# Altium PCB 600W INV MCU VA1.1.PcbDoc (part 1 of 2) (continued)
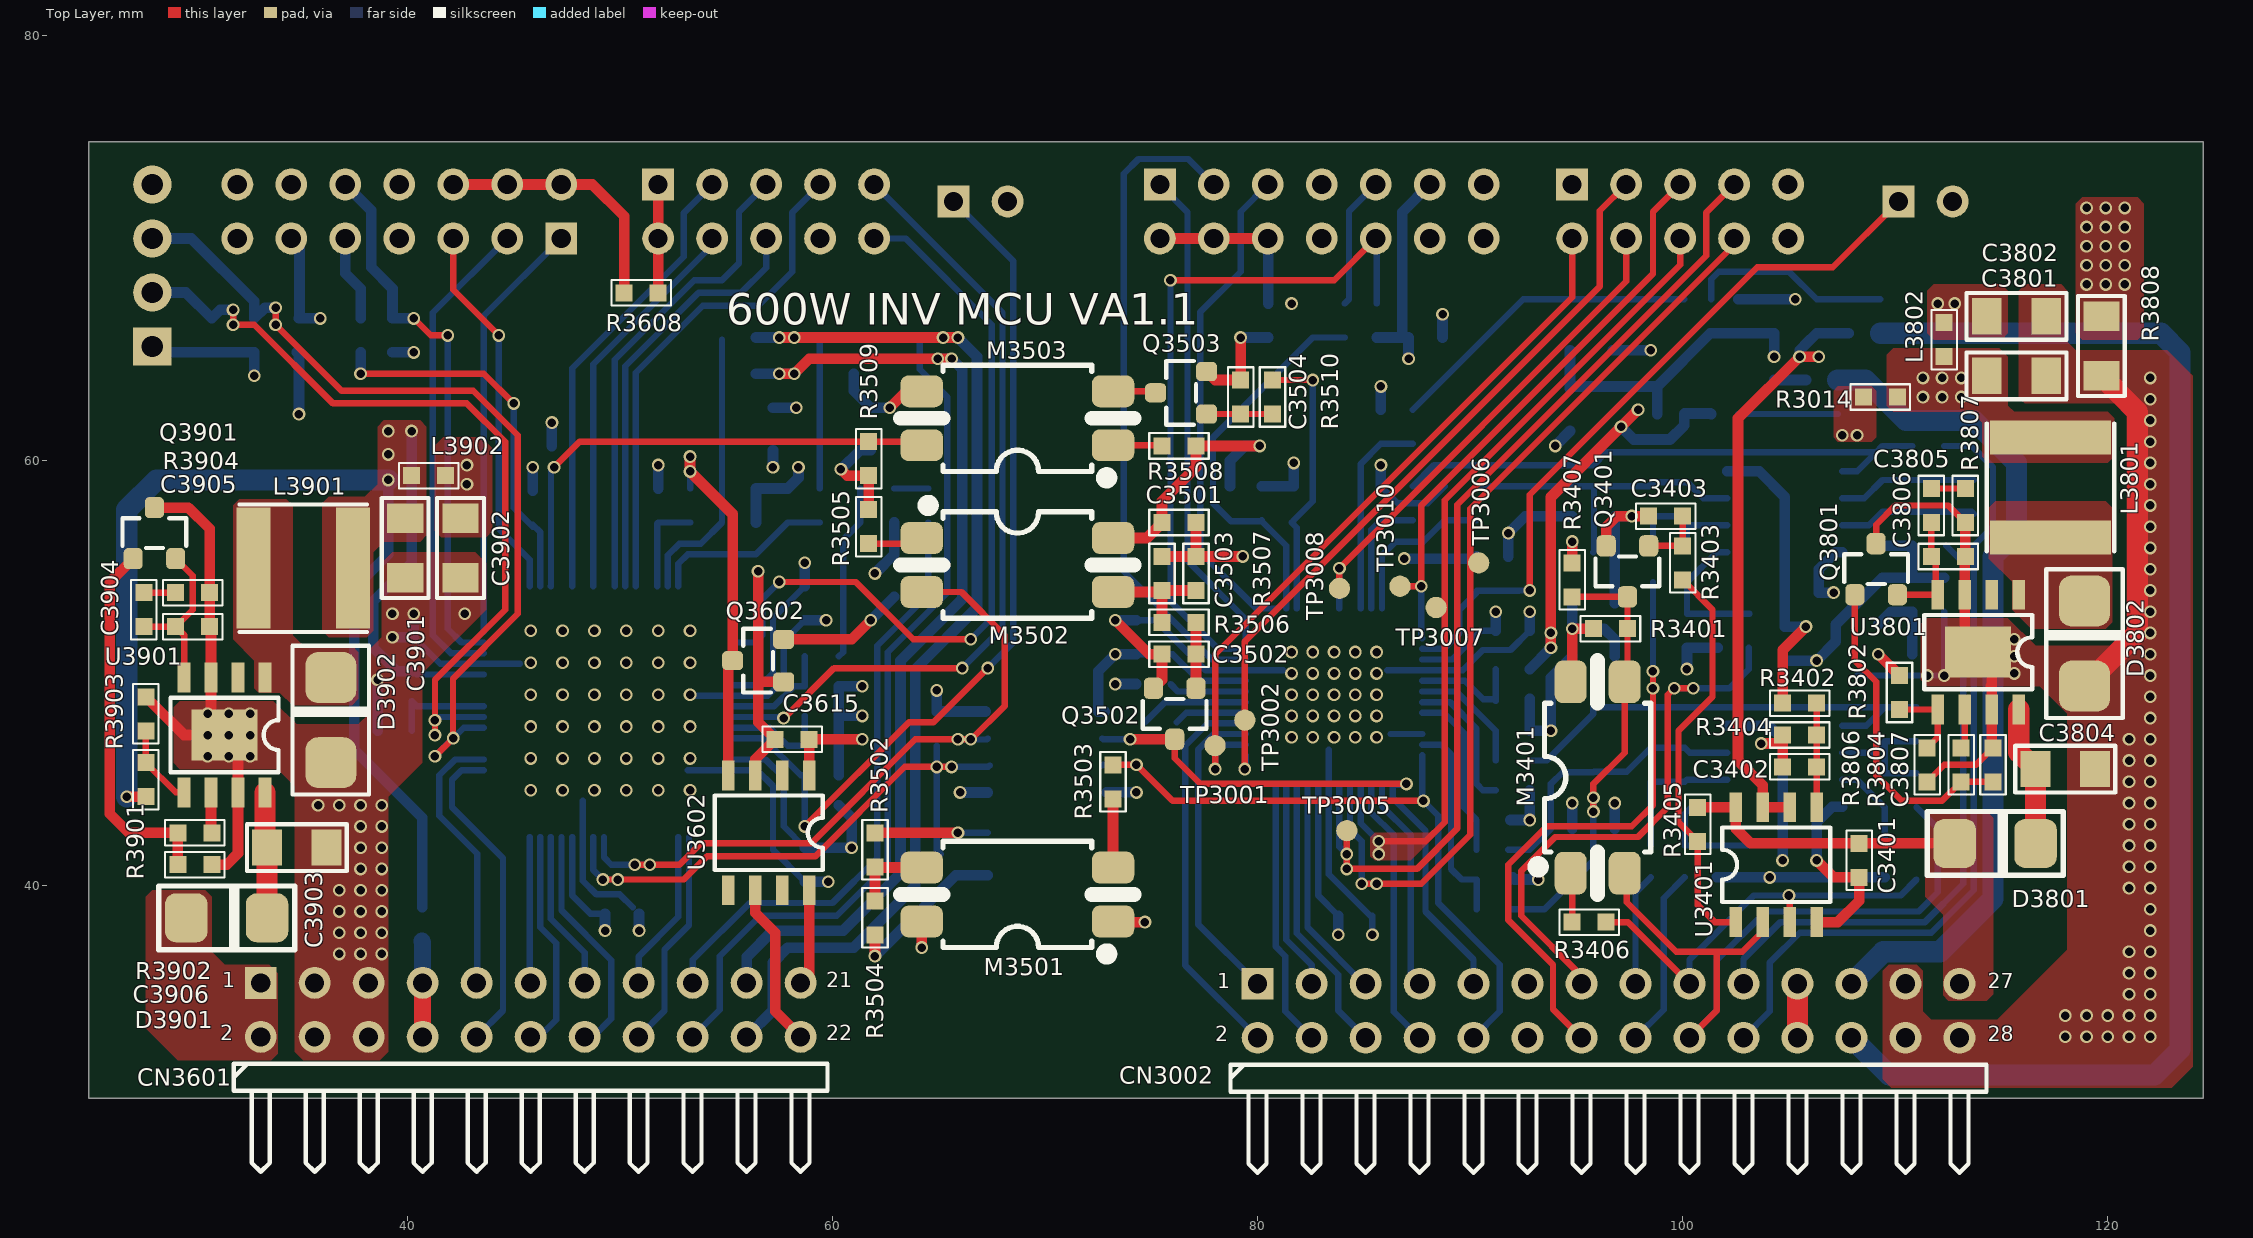
[diagram p0: Top Layer view]
## Components (designator, comment, footprint, x,y, rotation, side; value= is the part's Value field where it differs from the comment)
C3001 "0.1uF" C0603L 74.3,51.7 r270 bottom
C3002 "2.2uF" C0603L 75.1,49.5 r0 bottom
C3003 "10nF" C0603L 80.2,58 r270 bottom
C3004 "10nF" C0603L 81.7,58 r270 bottom
C3005 "0.1uF" C0603L 84.6,38.6 r180 bottom
C3007 "10nF" C0603L 92,48.8 r180 bottom
C3008 "2.2uF" C0603L 90.3,54.7 r270 bottom
C3009 "10nF" C0603L 85.8,61.6 r270 bottom
C3010 "10nF" C0603L 85.8,58 r270 bottom
C3011 "10nF" C0603L 88.8,58 r270 bottom
C3012 "0.1uF" C0603L 92,52 r180 bottom
C3013 "10nF" C0603L 92,47.3 r180 bottom
C3014 "2.2uF" C0603L 92,44.5 r180 bottom
C3015 "10nF" C0603L 91.1,43.1 r180 bottom
C3016 "10nF" C0603L 91.1,40.3 r180 bottom
C3017 "0.1uF" C0603L 87.9,65.8 r180 bottom
C3101 "47pF" C0603L 109.5,41.2 r270 bottom
C3102 "0.1uF" C0603L 105.5,41.9 r0 bottom
C3104 "47pF" C0603L 101.6,41.2 r270 bottom
C3105 "1000pF" C0603L 109.5,44.5 r270 bottom
C3107 "1000pF" C0603L 99.3,43.4 r0 bottom
C3108 "47pF" C0603L 100.1,45.7 r270 bottom
C3109 "47pF" C0603L 109.5,47.6 r270 bottom
C3201 "47pF" C0603L 109.4,56.8 r270 bottom
C3202 "0.1uF" C0603L 105.6,53.8 r0 bottom
C3203 "1000pF" C0603L 100.2,55.1 r270 bottom
C3204 "0.015uF" C0603L 100.2,52 r90 bottom
C3205 "47pF" C0603L 100.2,58.2 r270 bottom
C3206 "47pF" C0603L 109.4,59.9 r270 bottom
C3207 "1000pF" C0603L 113.7,58.3 r270 bottom
C3301 "0.1uF" C0603L 104.3,66.8 r90 bottom
C3302 "220pF" C0603L 106.3,66.8 r270 bottom
C3303 "220pF" C0603L 105.8,63 r90 bottom
C3401 "0.1uF" C0603L 108.3,41.2 r270 top
C3402 "0.1uF" C0603L 105.5,45.6 r0 top
C3403 "1000pF" C0603L 99.2,57.4 r0 top
C3501 "100nF" C0603L 76.3,57.1 r0 top
C3502 "NC" C0603L 76.3,50.9 r180 top
C3503 "NC" C0603L 75.5,54.7 r90 top
C3504 "10nF" C0603L 79.2,63 r270 top
C3601 "0.1uF" C0603L 39.4,47.3 r180 bottom
C3602 "0.1uF" C0603L 40.3,50.9 r90 bottom
C3603 "2.2uF" C0603L 39.4,48.7 r180 bottom
C3604 "10nF" C0603L 45.9,57.8 r270 bottom
C3605 "0.1uF" C0603L 50.1,38.7 r0 bottom
C3606 "0.1uF" C0603L 51.8,57.9 r90 bottom
C3607 "0.1uF" C0603L 55.6,57.1 r0 bottom
C3608 "0.1uF" C0603L 57.9,57.9 r90 bottom
C3609 "0.1uF" C0603L 58.7,53.3 r270 bottom
C3610 "0.1uF" C0603L 58.7,41 r90 bottom
C3611 "0.1uF" C0603L 59.5,46.6 r0 bottom
C3612 "2.2uF" C0603L 59.5,48 r0 bottom
C3613 "0.1uF" C0603L 59.5,49.4 r0 bottom
C3614 "0.1uF" C0603L 34.9,65.9 r90 bottom
C3615 "0.1uF" C0603L 58.1,46.9 r180 top
C3616 "2.2uF" C0603L 59.5,45.2 r180 bottom
C3801 "22uF/1206" C1206 115.7,64 r0 top
C3802 "22uF/1206" C1206 115.7,66.8 r0 top
C3803 "10nF" C0603L 112.3,53.7 r90 bottom
C3804 "10uF/1206" C1206 118,45.5 r0 top
C3805 "22nF" C0603L 111.7,57.9 r90 top
C3806 "220pF" C0603L 112.5,55.5 r0 top
C3807 "220pF" C0603L 114.6,45.7 r90 top
C3808 "10nF" C1206 118.1,36 r0 bottom
C3809 "10uF/25V" C1206 118.5,48.8 r0 bottom
C3810 "10nF" C1206 118.5,51.7 r0 bottom
C3811 "10uF/25V" C1206 118.7,63.2 r0 bottom
C3901 "22uF/1206" C1206 39.9,55.9 r270 top
C3902 "22uF/1206" C1206 42.5,55.9 r270 top
C3903 "10uF/1206" C1206 34.8,41.8 r0 top
C3904 "22nF" C0603L 27.6,53 r90 top
C3905 "220pF" C0603L 29.9,52.2 r0 top
C3906 "220pF" C0603L 30,41 r0 top
C3907 "10nF" C1206 28.7,35.3 r0 bottom
C3908 "10uF/25V" C1206 34.7,39.4 r270 bottom
C3909 "10nF" C1206 30.3,50.4 r0 bottom
C3910 "10uF/25V" C1206 36.3,57.7 r270 bottom
CN3001 "Header 2*5" HDR2X5 94.8,73 r0 bottom
CN3002 "Header 2*14" HDR2X14H 80,32.86 r0 top locked
CN3003 "Header 2H" HDR1X2H 110.16,72.2 r0 bottom
CN3004 "Header 2*7" HDR2X7 75.4,73 r0 bottom
CN3601 "Header 2*11" HDR2X11H 33.1,32.9 r0 top
CN3602 "Header 2*5" HDR2X5 51.8,73 r0 bottom
CN3603 "Header 3H" HDR1X4 28,65.38 r90 bottom
CN3604 "Header 2*7" HDR2X7 47.24,70.46 r180 bottom
CN3605 "Header 2H" HDR1X2H 65.7,72.2 r0 bottom
D3801 "US1D" SMA 114.7,42 r270 top
D3802 "STPS340U" SMB 118.9,51.4 r0 top
D3901 "US1D" SMA 31.5,38.5 r270 top
D3902 "STPS340U" SMB 36.4,47.8 r0 top
L3801 "15uH" L-6*6 117.3,58.75 r90 top
L3802 "Inductor" R0603L 112.3,65.7 r90 top value=10mH
L3901 "15uH" L-6*6 35.1,54.95 r0 top
L3902 "Inductor" R0603L 41,59.3 r0 top value=10mH
M3401 "EL817S" PHOTO-PS2561DLA 96,45.1 r90 top value={Value}
M3501 "EL817S" PHOTO-PS2561DLA 68.7,39.6 r180 top value={Value}
M3502 "EL817S" PHOTO-PS2561DLA 68.7,55.1 r0 top value={Value}
M3503 "EL817S" PHOTO-PS2561DLA 68.7,62 r180 top value={Value}
Q3102 "BAV99" SOT23 95.8,49.6 r0 bottom
Q3104 "BAV99" SOT23 95.8,44.15 r180 bottom
Q3201 "BAV99" SOT23 95.8,54.5 r180 bottom
Q3202 "BAV99" SOT23 95.8,58.6 r180 bottom
Q3301 "BAV99" SOT23 95.7,66.4 r180 bottom
Q3302 "BAV99" SOT23 95.9,62.4 r90 bottom
Q3401 "PMBT2222A" SOT23-CBE 97.4,54.8 r180 top
Q3501 "PMBT2222A" SOT23-CBE 66.1,41.5 r270 bottom
Q3502 "PMBT2222A" SOT23-CBE 76.1,48.1 r180 top
Q3503 "PMBT2222A" SOT23-CBE 76.4,63.2 r90 top
Q3601 "BAV99" SOT23 56,61.5 r270 bottom
Q3602 "BAV99" SOT23 56.5,50.6 r90 top
Q3603 "BAV99" SOT23 60.6,61.5 r270 bottom
Q3604 "BAV99" SOT23 61.7,54.6 r270 bottom
Q3801 "MMBT5401" SOT23 109.1,54.9 r0 top
Q3901 "MMBT5401" SOT23 28.1,56.6 r0 top
R3001 "0R" R0603L 91.8,54.7 r270 bottom
R3002 "0R" R0603L 92,50.2 r180 bottom
R3003 "0R" R0603L 87.3,61.6 r270 bottom
R3004 "10K" R0603L 87.3,58 r270 bottom
R3005 "10K" R0603L 90.3,58 r270 bottom
R3006 "10K" R0603L 92,45.9 r180 bottom
R3007 "10K" R0603L 91.1,41.7 r180 bottom
R3008 "0R" R0603L 91.1,38.9 r180 bottom
R3009 "0R" R0603L 84.1,66.6 r270 bottom
R3010 "4.99k" R0603L 78.7,58 r90 bottom
R3011 "2.2k" R0603L 85.6,66.6 r270 bottom
R3012 "0R" R0603L 80.5,66.6 r270 bottom
R3013 "NC" R0603L 114.8,36.2 r270 bottom
R3014 "NC" R0603L 109.3,63 r0 top
R3101 "13.3K" R0603L 107.9,41.2 r90 bottom
R3103 "41.2K" R0603L 111,41.2 r90 bottom
R3106 "13.3K" R0603L 103.1,41.2 r90 bottom
R3108 "41.2K" R0603L 100.1,41.2 r90 bottom
R3109 "13.3K" R0603L 98.5,45.7 r90 bottom
R3110 "13.3K" R0603L 111,47.6 r90 bottom
R3111 "41.2K" R0603L 98.5,41.2 r90 bottom
R3114 "41.2K" R0603L 111,44.5 r90 bottom
R3201 "13.3K" R0603L 110.8,56.8 r90 bottom
R3202 "20K" R0603L 103.1,52 r90 bottom
R3203 "41.2K" R0603L 112.3,56.8 r90 bottom
R3204 "18.7K" R0603L 101.643,52 r270 bottom
R3205 "13.3K" R0603L 98.6,58.2 r90 bottom
R3206 "13.3K" R0603L 110.8,59.9 r90 bottom
R3207 "41.2K" R0603L 98.6,55.1 r90 bottom
R3208 "41.2K" R0603L 112.3,59.9 r270 bottom
R3301 "14K" R0603L 107.8,66.8 r90 bottom
R3302 "10K" R0603L 109.3,66.8 r90 bottom
R3303 "10K" R0603L 107.3,63 r270 bottom
R3304 "14K" R0603L 104.3,63 r270 bottom
R3401 "2.2K" R0603L 96.6,52.1 r180 top
R3402 "19.1K" R0603L 105.5,48.6 r0 top
R3403 "7.5K" R0603L 100,55.2 r270 top
R3404 "1K" R0603L 105.5,47.1 r180 top
R3405 "10K" R0603L 100.7,42.9 r90 top
R3406 "10K" R0603L 95.6,38.3 r180 top
R3407 "10K" R0603L 94.8,54.4 r270 top
R3501 "10K" R0603L 64.9,47.4 r90 bottom
R3502 "20R" R0603L 62,41.7 r270 top
R3503 "499R" R0603L 73.2,44.9 r90 top
R3504 "475R" R0603L 62,38.5 r90 top
R3505 "4.99K" R0603L 61.7,56.9 r90 top
R3506 "20R" R0603L 76.3,52.4 r0 top
R3507 "475R" R0603L 77.1,54.7 r270 top
R3508 "330R" R0603L 76.3,60.7 r0 top
R3509 "1K" R0603L 61.7,60.1 r270 top
R3510 "1K" R0603L 80.7,63 r90 top
R3601 "10K" R0603L 53.3,57.9 r90 bottom
R3602 "10K" R0603L 30.8,65.9 r270 bottom
R3603 "10K" R0603L 55.6,65.8 r0 bottom
R3604 "10K" R0603L 32.8,65.9 r270 bottom
R3605 "10K" R0603L 55.6,58.7 r180 bottom
R3606 "10K" R0603L 55.6,64.1 r0 bottom
R3607 "10K" R0603L 59.4,57.9 r90 bottom
R3608 "0R" R0603L 51,67.9 r0 top
R3609 "0R" R0603L 37.8,65.9 r270 bottom
R3610 "4.99k" R0603L 46,60.7 r0 bottom
R3611 "2.2k" R0603L 39.3,65.9 r270 bottom
R3612 "2.2K" R0603L 59.5,50.8 r0 bottom
R3613 "44K" R0603L 63.3,65.8 r0 bottom
R3614 "44K" R0603L 64.5,57.9 r270 bottom
R3615 "10K" R0603L 59.5,43.8 r180 bottom
R3616 "44K" R0603L 60.2,65.8 r0 bottom
R3617 "44K" R0603L 62.1,58.7 r0 bottom
R3618 "4.7K" R0603L 60.2,64.1 r180 bottom
R3619 "4.7K" R0603L 62.1,57.1 r180 bottom
R3620 "NC" R0603L 40.7,38.2 r90 bottom
R3621 "NC" R0603L 28.4,32.6 r0 bottom
R3801 "300R" R0603L 104.8,51.4 r270 bottom
R3802 "5.6K" R0603L 110.2,49.1 r90 top
R3803 "39K/ 0.1%" R0603L 110.8,53.7 r90 bottom
R3804 "4.7K" R0603L 113.1,45.7 r90 top
R3805 "12.4K/ 0.1%" R0603L 111.5,50.9 r180 bottom
R3806 "3.3K" R0603L 111.5,45.7 r90 top
R3807 "4.7K" R0603L 113.3,57.9 r90 top
R3808 "0R" R1206 119.7,65.4 r90 top
R3901 "5.6K" R0603L 27.7,45 r270 top
R3902 "4.7K" R0603L 30,42.5 r0 top
R3903 "3.3K" R0603L 27.7,48.1 r270 top
R3904 "4.7K" R0603L 29.9,53.8 r180 top
TP3001 "TIENET" TP#1 78,46.6 r90 top net-tie value={Value}
TP3002 "TIENET" TP#1 79.4,47.8 r90 top net-tie value={Value}
TP3003 "TIENET" TP#1 74.7,47.7 r270 bottom net-tie value={Value}
TP3004 "TIENET" TP#1 76.2,47.7 r270 bottom net-tie value={Value}
TP3005 "TIENET" TP#1 84.2,42.6 r90 top net-tie value={Value}
TP3006 "TIENET" TP#1 90.4,55.2 r90 top net-tie value={Value}
TP3007 "TIENET" TP#1 88.4,53.1 r90 top net-tie value={Value}
TP3008 "TIENET" TP#2 83.8,54 r90 top net-tie value={Value}
TP3010 "TIENET" TP#1 86.7,54.1 r90 top net-tie value={Value}
U3001 "MC56F81646VLF" LQFP-48 83.6,48.9 r270 bottom locked
U3101 "TSZ122IDT" SO8 104.8,45.635 r180 bottom
U3201 "TSZ122IDT" SO8 104.8,57.6 r180 bottom
U3301 "TSZ122IDT" SO8 100.7,64.9 r270 bottom
U3401 "LM293DT" SO8 104.4,41 r90 top value={Value}
U3501 "STISO621" SO8 70.2,46.3 r180 bottom
U3601 "MC56F83783VLH" LQFP-64 49.5,48.2 r270 bottom locked
U3602 "MAX4173FESA" SO8 57,42.5 r270 top
U3801 "L5973D" HSOP8 113.9,51 r270 top locked
U3802 "TL432" SOT23 108.2,51.1 r0 bottom
U3803 "LD1117S50" SOT223 118.6,41.7 r180 bottom
U3804 "LD1117S33" SOT223 118.5,57.4 r180 bottom
U3901 "L5973D" HSOP8 31.4,47.1 r270 top
U3902 "LD1117S50" SOT223 29.6,41.1 r180 bottom
U3903 "LD1117S33" SOT223 31.2,56 r180 bottom

## Footprints (in the part's own frame and the unit in brackets; to place one, negate y for a bottom-side part, rotate by r counter-clockwise, add the part's x,y. Pads: shape width x height; smd on the part's side, far side on the other; paste and mask are expansions set on the pad)
C0603L [mm]
  rect 0.8x0.8 smd mask+0.05: 1(-0.8,0) 2(0.8,0)
  silkscreen extent -1.4,-0.6 1.4,0.6, body extent -0.8,-0.4 0.8,0.4, height 0.77
C1206 [mm]
  rect 1.4x1.7 smd mask+0.1: 1(-1.4,0) 2(1.4,0)
  silkscreen extent -2.35,-1.1 2.35,1.1, body extent -1.6,-0.8 1.6,0.8, height 1.6
HDR1X2H [mm] "Connector; Header; 3 Position; Right Angle"
  rect 1.5x1.5 hole 0.9: 1(0,0)
  round 1.5 hole 0.9: 2(2.54,0)
  silkscreen extent -1.27,-6.35 3.81,-1.27, body extent -1.27,-10.04 3.81,0.32, height 2.54
HDR1X4 [mm] "Connector; Header; 3 Position; Right Angle"
  rect 1.8x1.8 hole 1: 1(0,0)
  round 1.8 hole 1: 2(2.54,0) 3(5.08,0) 4(7.62,0)
  silkscreen extent -1.27,-1.27 8.89,1.27, body extent -1.27,-1.27 8.89,1.27, height 8.54
HDR2X5 [mm] "Connector; Header; 5x2 Position"
  rect 1.5x1.5 hole 0.9: 1(0,0)
  round 1.5 hole 0.9: 2(0,2.54) 3(2.54,0) 4(2.54,2.54) 5(5.08,0) 6(5.08,2.54) 7(7.62,0) 8(7.62,2.54) 9(10.16,0) 10(10.16,2.54)
  silkscreen extent -1.27,-1.27 11.43,3.81, body extent -1.27,-1.27 11.43,3.81, height 8.54
HDR2X7 [mm] "Connector; Header; 2x7 Position"
  rect 1.5x1.5 hole 0.9: 1(0,0)
  round 1.5 hole 0.9: 2(0,2.54) 3(2.54,0) 4(2.54,2.54) 5(5.08,0) 6(5.08,2.54) 7(7.62,0) 8(7.62,2.54) 9(10.16,0) 10(10.16,2.54) 11(12.7,0) 12(12.7,2.54) 13(15.24,0) 14(15.24,2.54)
  silkscreen extent -1.27,-1.27 16.51,3.81, body extent -1.27,-1.27 16.51,3.81, height 8.54
HDR2X11H [mm] "Connector; Header; 2x12 Position"
  rect 1.5x1.5 hole 0.9: 1(0,2.54)
  round 1.5 hole 0.9: 2(0,0) 3(2.54,2.54) 4(2.54,0) 5(5.08,2.54) 6(5.08,0) 7(7.62,2.54) 8(7.62,0) 9(10.16,2.54) 10(10.16,0) 11(12.7,2.54) 12(12.7,0) 13(15.24,2.54) 14(15.24,0) 15(17.78,2.54) 16(17.78,0) 17(20.32,2.54) 18(20.32,0) 19(22.86,2.54) 20(22.86,0) 21(25.4,2.54) 22(25.4,0)
  silkscreen extent -1.27,-6.35 26.67,-1.27, body extent -1.27,-10.04 26.67,2.86, height 5.08
HDR2X14H [mm] "Connector; Header; 2x13 Position"
  rect 1.5x1.5 hole 0.9: 1(0,2.54)
  round 1.5 hole 0.9: 2(0,0) 3(2.54,2.54) 4(2.54,0) 5(5.08,2.54) 6(5.08,0) 7(7.62,2.54) 8(7.62,0) 9(10.16,2.54) 10(10.16,0) 11(12.7,2.54) 12(12.7,0) 13(15.24,2.54) 14(15.24,0) 15(17.78,2.54) 16(17.78,0) 17(20.32,2.54) 18(20.32,0) 19(22.86,2.54) 20(22.86,0) 21(25.4,2.54) 22(25.4,0) 23(27.94,2.54) 24(27.94,0) 25(30.48,2.54) 26(30.48,0) 27(33.02,2.54) 28(33.02,0)
  silkscreen extent -1.27,-6.35 34.29,-1.27, body extent -1.27,-10.04 34.29,2.86, height 5.08
HSOP8 [mm]
  rect 1.4x0.6 smd: 1(-2.7,1.905) 2(-2.7,0.635) 3(-2.7,-0.635) 4(-2.7,-1.905) 5(2.7,-1.905) 6(2.7,-0.635) 7(2.7,0.635) 8(2.7,1.905)
  rect 2.4x3.1 smd: 3(0,0)
  silkscreen extent -1.75,-2.54 1.75,2.54, body extent -3.15,-2.45 3.15,2.45, height 1.1
L-6*6 [mm]
  rect 1.6x5.7 smd mask+0.1: 1(-2.35,0) 2(2.35,0)
  silkscreen extent -3,-3 3,3, body extent -3,-3 3,3, height 4.5
LQFP-48 [mm]
  rect 1.5x0.28 smd: 1(-4.15,2.75) 2(-4.15,2.25) 3(-4.15,1.75) 4(-4.15,1.25) 5(-4.15,0.75) 6(-4.15,0.25) 7(-4.15,-0.25) 8(-4.15,-0.75) 9(-4.15,-1.25) 10(-4.15,-1.75) 11(-4.15,-2.25) 12(-4.15,-2.75) 25(4.15,-2.75) 26(4.15,-2.25) 27(4.15,-1.75) 28(4.15,-1.25) 29(4.15,-0.75) 30(4.15,-0.25) 31(4.15,0.25) 32(4.15,0.75) 33(4.15,1.25) 34(4.15,1.75) 35(4.15,2.25) 36(4.15,2.75)
  rect 0.28x1.5 smd: 13(-2.75,-4.15) 14(-2.25,-4.15) 15(-1.75,-4.15) 16(-1.25,-4.15) 17(-0.75,-4.15) 18(-0.25,-4.15) 19(0.25,-4.15) 20(0.75,-4.15) 21(1.25,-4.15) 22(1.75,-4.15) 23(2.25,-4.15) 24(2.75,-4.15) 37(2.75,4.15) 38(2.25,4.15) 39(1.75,4.15) 40(1.25,4.15) 41(0.75,4.15) 42(0.25,4.15) 43(-0.25,4.15) 44(-0.75,4.15) 45(-1.25,4.15) 46(-1.75,4.15) 47(-2.25,4.15) 48(-2.75,4.15)
  silkscreen extent -4.35,-3.05 3.05,4.05, body extent -4.5,-4.5 4.5,4.5, height 1.5
LQFP-64 [mm]
  rect 1.5x0.28 smd: 1(-5.9,3.75) 2(-5.9,3.25) 3(-5.9,2.75) 4(-5.9,2.25) 5(-5.9,1.75) 6(-5.9,1.25) 7(-5.9,0.75) 8(-5.9,0.25) 9(-5.9,-0.25) 10(-5.9,-0.75) 11(-5.9,-1.25) 12(-5.9,-1.75) 13(-5.9,-2.25) 14(-5.9,-2.75) 15(-5.9,-3.25) 16(-5.9,-3.75) 33(5.9,-3.75) 34(5.9,-3.25) 35(5.9,-2.75) 36(5.9,-2.25) 37(5.9,-1.75) 38(5.9,-1.25) 39(5.9,-0.75) 40(5.9,-0.25) 41(5.9,0.25) 42(5.9,0.75) 43(5.9,1.25) 44(5.9,1.75) 45(5.9,2.25) 46(5.9,2.75) 47(5.9,3.25) 48(5.9,3.75)
  rect 0.28x1.5 smd: 17(-3.75,-5.9) 18(-3.25,-5.9) 19(-2.75,-5.9) 20(-2.25,-5.9) 21(-1.75,-5.9) 22(-1.25,-5.9) 23(-0.75,-5.9) 24(-0.25,-5.9) 25(0.25,-5.9) 26(0.75,-5.9) 27(1.25,-5.9) 28(1.75,-5.9) 29(2.25,-5.9) 30(2.75,-5.9) 31(3.25,-5.9) 32(3.75,-5.9) 49(3.75,5.9) 50(3.25,5.9) 51(2.75,5.9) 52(2.25,5.9) 53(1.75,5.9) 54(1.25,5.9) 55(0.75,5.9) 56(0.25,5.9) 57(-0.25,5.9) 58(-0.75,5.9) 59(-1.25,5.9) 60(-1.75,5.9) 61(-2.25,5.9) 62(-2.75,5.9) 63(-3.25,5.9) 64(-3.75,5.9)
  silkscreen extent -6.15,-5 5,5.05, body extent -6,-6 6,6, height 1.5
PHOTO-PS2561DLA [mm]
  rrect50% 2x1.5 smd: 1(-4.5,1.27) 2(-4.5,-1.27) 3(4.5,-1.27) 4(4.5,1.27)
  silkscreen extent -5.5,-2.5 5.5,3.05, body extent -4.12,-2.51 4.14,2.51, height 3
R0603L [mm]
  rect 0.8x0.8 smd mask+0.05: 1(-0.8,0) 2(0.8,0)
  silkscreen extent -1.4,-0.6 1.4,0.6, body extent -0.8,-0.4 0.8,0.4, height 0.43
R1206 [mm]
  rect 1.4x1.7 smd mask+0.1: 1(-1.4,0) 2(1.4,0)
  silkscreen extent -2.35,-1.1 2.35,1.1, body extent -1.6,-0.8 1.6,0.8, height 0.55
SMA [mm]
  rrect50% 2.3x2 smd: A(0,-1.9) K(0,1.9)
  silkscreen extent -1.5,-3.2 1.5,3.2, body extent -1.35,-2.5 1.35,2.5, height 2.22
SMB [mm]
  rrect50% 2.4x2.4 smd: A(0,-2) K(0,2)
  silkscreen extent -1.8,-3.5 1.8,3.5, body extent -1.35,-2.5 1.35,2.5, height 2.22
SO8 [mm]
  rect 1.4x0.6 smd: 1(-2.7,1.905) 2(-2.7,0.635) 3(-2.7,-0.635) 4(-2.7,-1.905) 5(2.7,-1.905) 6(2.7,-0.635) 7(2.7,0.635) 8(2.7,1.905)
  silkscreen extent -1.75,-2.54 1.75,2.54, body extent -3,-2.45 3,2.45, height 1.75
SOT23 [mm]
  rrect50% 0.9x1 smd: 1(-1,-1.2) 2(1,-1.2) 3(0,1.2)
  silkscreen extent -1.5,-0.7 1.5,0.7, body extent -1.5,-1.32 1.5,1.32, height 1.08
SOT23-CBE [mm]
  rrect50% 0.9x1 smd: B(-1,-1.2) C(0,1.2) E(1,-1.2)
  silkscreen extent -1.5,-0.7 1.5,0.7, body extent -1.5,-1.32 1.5,1.32, height 1.08
SOT223 [mm]
  rect 1x1.6 smd: 1(-2.3,-3.15) 2(0,-3.15) 3(2.3,-3.15)
  rect 3.3x1.8 smd: 2(0,3.15)
  silkscreen extent -3.25,-1.75 3.25,1.75, body extent -3.25,-3.5 3.25,3.5, height 1.7
TP#1 [mm]
  round 1 smd mask+0.05: 1(0,0)
TP#2 [mm]
  round 1 smd mask+0.05: 1(0,-0.05)

## Part data
C3001 C3002 C3003 C3004 C3005 C3007 C3008 C3009 C3010 C3011 C3012 C3013 C3014 C3015 C3016 C3017 C3101 C3102 C3104 C3105 C3107 C3108 C3109 C3201 C3202 C3203 C3204 C3205 C3206 C3207 C3301 C3302 C3303 C3401 C3402 C3403 C3501 C3502 C3503 C3504 C3601 C3602 C3603 C3604 C3605 C3606 C3607 C3608 C3609 C3610 C3611 C3612 C3613 C3614 C3615 C3616 C3803 C3805 C3806 C3807 C3904 C3905 C3906: library part C0603, "C0603", OPEN=OPEN, package=C0603
C3801 C3802 C3804 C3808 C3809 C3810 C3811 C3901 C3902 C3903 C3907 C3908 C3909 C3910: library part C1206, "C1206", package=C1206
CN3003 CN3605: "Header, 2 Pin, Right Angle", LatestRevisionDate=17-Jul-2002, LatestRevisionNote="Re-released for DXP Platform.", Publisher="Altium Limited"
CN3603: library part "Header 4H", "Header, 4-Pin", LatestRevisionDate=17-Jul-2002, LatestRevisionNote="Re-released for DXP Platform.", Publisher="Altium Limited"
D3801 D3802 D3901 D3902: library part Diode, "ALL FOOTPRINT", package=SOD123
L3801 L3901: library part L, miao=150uH,※I§倰ㄛT6*10,耳=0.5*1, name=Inductor, Vendor=SHUNYUE
M3401 M3501 M3502 M3503: library part PHOTO-PS2561DLA, "PHOTO-PS2561DLA", PackageOutlineLayer=2mm, ComponentHeight=2mm, ModifyDate="06/28/2010 14:14:37"
Q3401 Q3501 Q3502 Q3503: library part NPN, "SOT-23-NPN", package=SOT-23
Q3801 Q3901: library part PNP, "SOT-23-PNP", package=SOT-23
R3001 R3002 R3003 R3004 R3005 R3006 R3007 R3008 R3009 R3010 R3011 R3012 R3013 R3014 R3101 R3103 R3106 R3108 R3109 R3110 R3111 R3114 R3201 R3202 R3203 R3204 R3205 R3206 R3207 R3208 R3301 R3302 R3303 R3304 R3401 R3402 R3403 R3404 R3405 R3406 R3407 R3501 R3502 R3503 R3504 R3505 R3506 R3507 R3508 R3509 R3510 R3601 R3602 R3603 R3604 R3605 R3606 R3607 R3608 R3609 R3610 R3611 R3612 R3613 R3614 R3615 R3616 R3617 R3618 R3619 R3620 R3621 R3801 R3802 R3803 R3804 R3805 R3806 R3807 R3901 R3902 R3903 R3904: library part R0603, "R0603", package=R0603
R3808: library part R1206, "R1206", package=R1206
TP3001 TP3002 TP3003 TP3004 TP3005 TP3006 TP3007 TP3008 TP3010: library part TP, "TIENET0D5", PackageOutlineLayer="Top Assy", ModifyDate="10/31/2007 15:58:16"
U3401: library part LM393, "LM393", package=SO-8
U3501 U3602: "LM358"
U3601: "STM32G474"
U3802: library part TL431, "TL431", package=SOT-23
U3803 U3804 U3902 U3903: library part LD1117, "LD1117"
CN3001 CN3002 CN3004 CN3601 CN3602 CN3604: PCB Footprint=CONP10
L3802 L3902: Code_IEC=1005, Code_JEITA=0402, LatestRevisionDate=29-May-2009, LatestRevisionNote="IPC-7351 Footprint Added.", PackageDescription="Chip Inductor", PackageReference=0402-A, Published=8-Jun-2000, Publisher="Altium Limited"

## Via types
v1: diameter 0.6, hole 0.4, Top Layer to Bottom Layer, tented both sides, 323 vias

## Nets (pads, with @x,y where several pads share a name; then routed paths per layer and width w, separated by ;. In a path a pad name is that pad's centre, name@x,y a point inside that pad or via, vN(x,y) a via of type N, cw(c..) or ccw(c..) an arc to the next point about the centre after c; other vN are vias at no path point)
0.164V: C3302.2 C3303.2 R3301.1 R3304.1 U3401.6 U3401.7 | length 29.5
  Top Layer w0.5: U3401.6@105.035,43.7 U3401.7@103.765,43.7 103.765,44.735 102.6,45.9 102.6,62 v1(105.5,64.9) v1(106.4,64.9)
  Bottom Layer w0.5: R3304.1@104.3,63.8 C3303.2@105.8,63.8 ; v1(105.5,64.9) 105.5,65.2 105.6,65.3 105.8,65.5 C3302.2@106.3,66 R3301.1@107.8,66
1V65: C3101.2 C3104.2 C3201.2 C3803.2 R3101.1 R3106.1 R3201.1 R3801.2 R3803.2 U3802.1 | length 32.7
  Layer 1 w0.8: v1(104.1,40.4) 102.7,41.8 102.7,47 v1(106.3,50.6)
  Bottom Layer w0.5: C3104.2@101.6,40.4 R3106.1@103.1,40.4 v1(104.1,40.4) R3101.1@107.9,40.4 C3101.2@109.5,40.4 ; R3801.2@104.8,50.6 v1(106.3,50.6) 107.2,51.5 U3802.1@107.2,52.3 109.4,54.5 R3803.2@110.8,54.5 ; C3201.2@109.4,56 R3201.1@110.8,56 R3803.2@110.8,54.5 ; C3803.2@112.3,54.5 R3803.2@110.8,54.5
3V3_INV: C3001.2 C3005.2 C3017.2 C3102.1 C3202.1 C3301.1 C3501.1 C3801.1 C3811.1 CN3001.1 CN3004.11 L3801.2 L3802.1 M3401.4 M3501.1 M3502.4 Q3102.2 Q3104.2 Q3201.2 Q3202.2 Q3301.2 Q3302.2 R3001.1 R3010.2 R3011.2 R3014.2 R3401.2 R3402.1 R3508.2 R3801.1 R3802.2 U3001.32 U3001.44 U3101.8 U3201.8 U3301.8 U3501.1 U3804.2 | length 107.6
  Top Layer w0.5: M3501.1@73.2,38.33 73.23,38.3 v1(74.7,38.3) ; M3502.4@73.2,56.37 74.795,56.37 C3501.1@75.5,57.075 ; M3501.1@73.33,38.4 M3501.1@73.4,38.33 ; C3501.1@75.5,57.1 75.5,58.1 77.1,59.7 R3508.2@77.1,60.7 v1(80.1,60.7) ; M3401.4@94.73,49.6 94.8,49.67 v1(94.8,52.1) R3401.2@95.8,52.1 ; R3402.1@104.7,48.6 104.7,51.1 v1(105.8,52.2) ; v1(109.2,50.9) R3802.2@110.2,49.9
  Layer 2 w0.8: v1(109.2,50.9) 109.2,60.9 v1(111.3,63)
  Bottom Layer w0.3: C3001.2@74.3,50.9 76,50.9 77.25,49.65 U3001.44@79.45,49.65 ; U3001.32@82.85,44.75 82.85,39.55 C3005.2@83.8,38.6
  Bottom Layer w0.5: U3501.1@72.8,48.205 72.5,48.205 72.5,50.1 v1(73.3,50.9) C3001.2@74.3,50.9 ; R3010.2@78.7,58.8 78.7,60 79.4,60.7 v1(80.1,60.7) ; v1(83.8,37.7) C3005.2@83.8,38.6 ; R3011.2@85.6,65.8 C3017.2@86.8,65.8 ; v1(87.1,64.8) C3017.2@87.1,65.8 C3017.2@86.8,65.8 ; CN3004.11@88.1,73 86.8,71.7 C3017.2@86.8,65.8 ; R3001.1@91.8,55.5 v1(91.8,56.6) 92.6,57.4 Q3202.2@94.8,57.4 ; Q3301.2@94.7,65.2 Q3302.2@94.7,63.4 94.795,63.495 98.795,63.495 ; Q3104.2@94.8,42.7 94.8,43.7 v1(94.8,43.9) ; Q3201.2@94.8,53.3 v1(94.8,52.1) 96.3,52.1 96.8,51.6 Q3102.2@96.8,50.8 ; U3301.8@98.795,62.2 98.795,63.495 ; U3101.8@102.1,47.54 104.06,47.54 104.7,46.9 C3102.1@104.7,41.9 v1(104.7,41.2) ; U3201.8@102.1,59.505 103.595,59.505 104.8,58.3 C3202.1@104.8,53.8 R3801.1@104.8,52.2 v1(105.8,52.2) ; v1(104.3,64.9) C3301.1@104.3,66 101.3,66 98.795,63.495
  other v1: 112.2,63 113.1,63 111.3,63.9 112.2,63.9 113.1,63.9 81.6,67.4
3V3_INV_VDDA: C3012.2 C3802.1 L3802.2 U3001.15 | length 33.2
  Layer 1 w1: v1(91.2,52.9) 91.2,54.1 103.4,66.3 110.9,66.3 v1(112,67.4) v1(112.8,67.4)
  Bottom Layer w0.3: U3001.15@87.75,50.65 89.15,50.65 90.5,52 C3012.2@91.2,52
  Bottom Layer w0.5: C3012.2@91.2,52 v1(91.2,52.9)
3V3_S: C3602.1 C3605.1 C3610.2 C3614.2 C3615.1 C3901.1 C3910.1 CN3602.8 CN3603.1 CN3604.11 L3901.2 L3902.1 M3501.4 Q3601.2 Q3602.2 Q3603.2 Q3604.2 R3501.2 R3505.2 R3509.2 R3602.2 R3604.2 R3610.2 R3611.2 R3615.1 R3620.2 R3901.2 U3501.8 U3601.29 U3601.44 U3601.60 U3602.1 U3903.2 | length 115.3
  Top Layer w0.5: v1(26.8,44.2) R3901.2@27.7,44.2 ; Q3602.2@57.7,51.6 60.9,51.6 v1(61.8,52.5) ; U3602.1@58.905,45.2 58.905,46.895 C3615.1@58.9,46.9 v1(61.4,46.9) ; v1(60.4,59.6) 60.7,59.3 R3509.2@61.7,59.3 R3505.2@61.7,57.7 ; v1(64.2,37.1) M3501.4@64.2,38.33
  Bottom Layer w0.3: C3602.1@40.45,49.95 U3601.60@43.6,49.95 ; U3601.44@47.75,42.3 47.75,39.55 48.6,38.7 C3605.1@49.3,38.7 ; U3601.29@55.4,45.95 56.85,45.95 57.7,45.1 57.7,42.8 C3610.2@58.7,41.8
  Bottom Layer w0.5: CN3603.1@28,65.38 28.28,65.1 R3602.2@30.8,65.1 R3604.2@32.8,65.1 v1(32.8,64) ; CN3604.11@34.54,70.46 34.925,70.075 34.925,66.725 C3614.2@34.9,66.7 v1(35.9,66.7) ; v1(39.1,59.1) 39.1,55.6 37.5,54 37.5,46.4 40.7,43.2 R3620.2@40.7,39 ; R3611.2@39.3,65.1 v1(40.3,65.1) ; v1(40.2,61.4) 40.2,55.2 38.4,53.4 38.4,51.2 39.5,50.1 C3602.1@40.3,50.1 ; R3610.2@46.8,60.7 v1(46.8,61.8) ; v1(49.3,37.9) C3605.1@49.3,38.7 ; v1(57.2,59.7) Q3601.2@57.2,60.5 ; C3610.2@58.7,41.8 v1(60.9,41.8) 60.9,43.2 R3615.1@60.3,43.8 ; v1(60.4,59.6) 61.3,60.5 Q3603.2@61.8,60.5 ; v1(61.8,52.5) Q3604.2@62.9,53.6 ; R3501.2@64.9,48.2 v1(64.9,49.2) ; R3501.2@65.1,48.2 65.105,48.205 U3501.8@67.2,48.205
  Bottom Layer w1: v1(26.8,44.2) 26.8,57.7 28.2,59.1 U3903.2@31.2,59.1 ; U3903.2@31.2,59.15 31.25,59.1 C3910.1@36.3,59.1 v1(39.1,59.1)
  other v1: 39.1,60.3 39.1,61.4
3V3_S_VDDA: C3609.1 C3902.1 L3902.2 U3601.22 | length 7.8
  Bottom Layer w0.3: U3601.22@55.4,49.45 56.65,49.45 57.2,50 57.2,52.6 C3609.1@58.7,54.1
  Bottom Layer w0.5: C3609.1@58.7,54.1 v1(58.7,55.2)
  other v1: 42.8,58.9 42.8,59.8
12V_INV: C3401.1 CN3002.27 D3801.A R3013.2 R3405.2 U3401.8 | length 13.4
  Top Layer w0.5: R3405.2@100.7,43.7 U3401.8@102.495,43.7 ; U3401.8@102.5,43.7 102.5,42.7 103.2,42 108.2,42 C3401.1@108.3,41.9 ; C3401.1@108.3,42 D3801.A@112.8,42
12V_S: CN3601.1 CN3601.2 D3901.A R3621.2
AC_IN_D: C3013.2 R3006.2 U3001.18 | length 5.6
  Bottom Layer w0.3: U3001.18@87.75,49.15 89.35,49.15 C3013.2@91.2,47.3 R3006.2@91.2,45.9
AC_OUT_D: C3015.2 R3007.2 U3001.20 | length 8.1
  Bottom Layer w0.3: U3001.20@87.75,48.15 88.75,48.15 89.7,47.2 89.7,43.7 C3015.2@90.3,43.1 R3007.2@90.3,41.7
Bulk+_D: C3011.2 R3005.2 U3001.11 | length 7.6
  Bottom Layer w0.3: U3001.11@85.85,53.05 85.85,55.55 86.5,56.2 87.8,56.2 C3011.2@88.8,57.2 R3005.2@90.3,57.2
DACA: CN3602.10 U3601.18 | length 36.8
  Top Layer w0.3: v1(57.5,54.3) 61.1,54.3 63.8,51.6 v1(66.5,51.6)
  Bottom Layer w0.3: U3601.18@55.4,51.45 56.35,51.45 56.7,51.8 56.7,53.5 v1(57.5,54.3) ; CN3602.10@61.96,70.46 63.44,70.46 67.5,66.4 67.5,52.6 v1(66.5,51.6)
DACB: CN3602.9 U3601.25 | length 37.8
  Top Layer w0.3: v1(57.7,47.9) 57.725,47.9 60.075,50.25 v1(66.1,50.25)
  Bottom Layer w0.3: U3601.25@55.4,47.95 v1@57.65,47.95 ; v1(57.7,47.9) v1@57.65,47.95 ; v1@57.7,47.95 v1@57.65,47.95 ; CN3602.9@61.96,73 68,66.96 68,52.15 v1(66.1,50.25)
GPIOC4: CN3001.4 TP3008.1 U3001.7 | length 23.9
  Top Layer w0.3: TP3008.1@83.85,54 v1(83.85,54.95) 97.34,68.44 CN3001.4@97.34,70.46
  Bottom Layer w0.3: U3001.7@83.85,53.05 v1(83.85,54.95)
GPIOC5: CN3001.5 TP3010.1 U3001.13 | length 27.4
  Top Layer w0.3: TP3010.1@86.7,54.1 v1(87.7,54.1) 87.7,57.9 98.6,68.8 98.6,71.72 CN3001.5@99.88,73
  Bottom Layer w0.3: v1(87.7,54.1) 87.7,51.7 U3001.13@87.75,51.65
GPIOC13: CN3001.3 TP3002.1 U3001.37 | length 35.7
  Top Layer w0.3: v1(79.4,45.5) TP3002.1@79.4,47.8 79.4,51.5 96.1,68.2 96.1,71.76 CN3001.3@97.34,73
  Bottom Layer w0.3: v1@79.254,45.5 v1(79.4,45.5) 79.45,45.55 U3001.37@79.45,46.15
GPIOF0: CN3001.6 TP3007.1 U3001.28 | length 39.1
  Top Layer w0.3: v1(85.7,42.1) 87.9,42.1 88.8,43 88.8,58.14 99.88,69.22 CN3001.6@99.88,70.46
  Bottom Layer w0.3: U3001.28@84.85,44.75 84.85,42.95 v1(85.7,42.1) v1(85.7,41.5)
GPIOF1: CN3001.2 TP3001.1 U3001.38 | length 34.3
  Top Layer w0.3: v1(78,45.5) TP3001.1@78,46.6 78,50.9 94.8,67.7 CN3001.2@94.8,70.46
  Bottom Layer w0.3: v1(78,45.5) 78,46.3 78.35,46.65 U3001.38@79.45,46.65
I_bat: C3606.1 R3601.1 U3601.13 | length 4.5
  Bottom Layer w0.3: U3601.13@51.75,54.1 51.75,57.05 C3606.1@51.8,57.1 R3601.1@53.3,57.1
I_bat+: CN3601.21 U3602.8 | length 4.4
  Top Layer w0.5: CN3601.21@58.905,35.44 58.905,37.695 U3602.8@58.905,39.8
I_bat-: CN3601.22 U3602.6 | length 7.8
  Top Layer w0.5: U3602.6@56.365,39.8 56.365,38.735 57.3,37.8 57.3,34.1 CN3601.22@58.5,32.9
I_choke: CN3002.24 R3302.1 | length 64
  Bottom Layer w1: CN3002.24@107.94,32.86 109.7,31.1 122.2,31.1 123.4,32.3 123.4,65.1 122.5,66 R3302.1@109.3,66
I_choke_D: C3009.2 R3003.2 U3001.9 | length 9.6
  Bottom Layer w0.3: U3001.9@84.85,53.05 84.85,59.85 C3009.2@85.8,60.8 R3003.2@87.3,60.8
I_LLC: C3607.1 Q3601.3 R3603.1 R3605.2 R3606.1 U3601.14 | length 13.3
  Bottom Layer w0.3: U3601.14@52.25,54.1 52.25,55.55 52.8,56.1 53.8,56.1 C3607.1@54.8,57.1 R3605.2@54.8,58.7 Q3601.3@54.8,61.5 ; Q3601.3@54.8,61.4 54.8,64 R3603.1@54.8,65.7
I_out: CN3002.23 R3303.1 | length 39.3
  Bottom Layer w1: R3303.1@107.3,63.8 108.6,63.8 110.5,61.9 113.7,61.9 115.7,59.9 115.7,56.6 114.6,55.5 114.6,39.4 112.1,36.9 109.44,36.9 CN3002.23@107.94,35.4
I_out_D: C3007.2 R3002.2 U3001.17 | length 5.2
  Bottom Layer w0.3: U3001.17@87.75,49.65 89.75,49.65 90.617,48.783 91.117,48.783 C3007.2@91.2,48.7 ; C3007.2@91.2,48.8 R3002.2@91.2,50.2
INV_1: CN3002.4 U3001.36 | length 12.6
  Bottom Layer w0.3: U3001.36@80.85,44.75 80.85,43.35 80.85,37.15 81.3,36.7 81.3,34.1 CN3002.4@82.54,32.86
INV_2: CN3002.3 U3001.35 | length 9.8
  Bottom Layer w0.3: U3001.35@81.35,44.75 81.35,42.95 81.35,37.47 82.54,36.28 CN3002.3@82.54,35.4
INV_3: CN3002.6 U3001.34 | length 13.2
  Bottom Layer w0.3: U3001.34@81.85,44.75 81.85,42.55 81.85,37.77 83.8,35.82 83.8,34.14 CN3002.6@85.08,32.86
INV_4: CN3002.5 U3001.33 | length 10.5
  Bottom Layer w0.3: U3001.33@82.35,44.75 82.35,42.15 82.35,38.05 85,35.4 CN3002.5@85.08,35.4
INV_DGND: C3001.1 C3002.1 C3003.1 C3004.1 C3005.1 C3007.1 C3008.1 C3009.1 C3010.1 C3011.1 C3012.1 C3013.1 C3014.1 C3015.1 C3016.1 C3017.1 C3102.2 C3202.2 C3204.1 C3301.2 C3401.2 C3402.1 C3403.1 C3501.2 C3502.2 C3503.2 C3504.1 CN3001.9 CN3001.10 CN3003.2 Q3102.1 Q3104.1 Q3201.1 Q3202.1 Q3301.1 Q3302.1 Q3401.E Q3502.E Q3503.E R3012.2 R3204.2 R3404.2 R3407.1 R3507.1 R3808.2 U3001.16 U3001.22 U3001.31 U3001.45 U3101.4 U3201.4 U3301.4 U3401.4 U3501.4 | length 102.2
  Top Layer w0.5: v1(73.3,52.5) 74.9,50.9 C3502.2@75.5,50.9 75.5,49.7 Q3502.E@75.1,49.3 ; C3503.2@75.5,55.5 R3507.1@77.1,55.5 ; C3501.2@77.1,57.1 R3507.1@77.1,55.5 ; Q3503.E@77.6,64.2 78,63.8 C3504.1@79.2,63.8 v1(79.2,65.8) ; v1(79.3,55.5) R3507.1@77.1,55.5 ; R3407.1@94.8,55.2 v1(94.8,56.2) ; Q3401.E@96.4,56 96.4,56.9 96.9,57.4 v1(97.6,57.4) C3403.1@98.4,57.4 ; v1(103.7,46.7) 104.7,46.7 R3404.2@104.7,47.1 C3402.1@104.7,45.6 ; v1(106.3,41.2) 107.1,40.4 C3401.2@108.3,40.4 ; U3401.4@106.305,38.3 107.3,38.3 108.3,39.3 C3401.2@108.3,40.3
  Bottom Layer w0.3: C3001.1@74.3,52.5 75.2,52.5 77.55,50.15 81.2,50.15 ; 83.35,46.4 U3001.31@83.35,44.75 83.35,40.55 85.3,38.6 C3005.1@85.4,38.6 v1(85.4,37.7) ; C3010.1@85.8,58.8 86.6,58 88,58 C3011.1@88.8,58.8 ; 86.1,50.15 89.65,50.15 90.6,51.1 91.9,51.1 C3012.1@92.8,52 ; 86.25,47.15 U3001.22@87.75,47.15
  Bottom Layer w0.5: U3501.4@72.9,44.395 72.905,44.4 v1(74.3,44.4) ; v1(73.3,49.5) C3002.1@74.3,49.5 ; v1(73.3,52.5) C3001.1@74.3,52.5 ; v1(79.2,65.8) R3012.2@80.5,65.8 ; C3003.1@80.2,58.8 C3004.1@81.7,58.8 v1(81.7,59.9) ; C3010.1@85.8,58.8 v1(85.8,59.8) ; C3009.1@85.8,62.4 v1(85.8,63.5) ; v1(86.9,55.4) 90.2,55.4 C3008.1@90.3,55.5 ; C3017.1@88.7,65.8 v1(88.7,66.9) ; C3016.1@91.9,40.3 92,40.4 92.1,40.3 v1(93.2,40.3) ; C3015.1@91.9,43.1 v1(92.8,43.1) C3014.1@92.8,44.5 ; C3007.1@92.8,48.8 C3013.1@92.8,47.3 v1(93.8,47.3) 93.8,49.8 Q3102.1@94.8,50.8 ; C3012.1@92.8,52 v1(92.8,52.9) ; v1(94,60.7) Q3302.1@94.7,61.4 ; Q3301.1@96.7,65.2 v1(98.5,65.2) ; Q3104.1@96.8,42.7 v1(96.8,43.9) ; Q3201.1@96.8,53.3 Q3202.1@96.8,57.4 v1(97.6,57.4) ; v1(100.2,50.2) C3204.1@100.2,51.2 R3204.2@101.643,51.2 ; U3301.4@102.605,67.6 C3301.2@104.3,67.6 v1(105.3,67.6) ; v1(106.3,41.2) C3102.2@106.3,41.9 106.3,43 107.03,43.73 U3101.4@107.5,43.73 ; v1(107.1,53.8) C3202.2@106.4,53.8 106.4,54.9 107.195,55.695 U3201.4@107.5,55.695
  other v1: 81.6,47 82.6,47 83.6,47 84.6,47 85.6,47 81.6,48 82.6,48 83.6,48 84.6,48 85.6,48 81.6,49 82.6,49 83.6,49 84.6,49 85.6,49 81.6,50 82.6,50 83.6,50 84.6,50 85.6,50 81.6,51 82.6,51 83.6,51 84.6,51 85.6,51 119,68.3 119.9,68.3 120.8,68.3 119,69.2 119.9,69.2 120.8,69.2 119,70.1 119.9,70.1 120.8,70.1 119,71 119.9,71 120.8,71 119,71.9 119.9,71.9 120.8,71.9
INV_GND: C3801.2 C3802.2 C3803.1 C3804.2 C3806.2 C3807.2 C3808.2 C3809.2 C3810.2 C3811.2 CN3002.25 CN3002.26 CN3002.28 D3802.A Q3801.3 R3805.1 R3806.1 R3807.1 R3808.1 U3801.3 U3801.7 U3802.3 U3803.1 U3804.1 | length 44.3
  Top Layer w0.3: Q3801.3@109.1,56.1 109.1,57 110,57.9 112.5,57.9 R3807.1@113.3,57.1 ; R3806.1@111.5,44.9 112.3,45.7 113.8,45.7 C3807.2@114.6,46.5
  Top Layer w0.5: R3807.1@113.3,57.1 C3806.2@113.3,55.5 113.265,55.465 U3801.3@113.265,53.7 113.265,51.635 U3801.3@113.9,51 114.535,50.365 114.535,49.435 114.5,49.4 ; 114.535,49.4 U3801.7@114.535,48.3 114.535,46.565 C3807.2@114.6,46.5
  Top Layer w1: D3802.A@118.9,49.4 121.4,51.9 121.4,62.3 R3808.1@119.7,64
  Bottom Layer w0.3: U3802.3@108.2,49.9 109.7,49.9 110.6,49.9 v1@111.6,49.9 ; v1(111.5,49.9) v1(112.3,49.9) R3805.1@112.3,50.9 C3803.1@112.3,52.9
  other v1: 118,32.9 119,32.9 120,32.9 121,32.9 122,32.9 118,33.9 119,33.9 120,33.9 121,33.9 122,33.9 121,34.9 122,34.9 121,35.9 122,35.9 121,36.9 122,36.9 122,37.9 122,38.9 121,39.9 122,39.9 121,40.9 122,40.9 121,41.9 122,41.9 121,42.9 122,42.9 121,43.9 122,43.9 121,44.9 122,44.9 121,45.9 122,45.9 121,46.9 122,46.9 122,47.9 122,48.9 122,49.9 115.6,50 115.6,50.8 122,50.9 115.6,51.6 122,51.9 122,52.9 122,53.9 122,54.9 122,55.9 122,56.9 122,57.9 122,58.9 122,59.9 122,60.9 122,61.9 122,62.9 122,63.9
LLC_1: CN3601.13 U3601.46 | length 7.5
  Bottom Layer w0.3: U3601.46@46.75,42.3 46.75,38.45 48.34,36.86 CN3601.13@48.34,35.44
LLC_2: CN3601.14 U3601.45 | length 10.7
  Bottom Layer w0.3: U3601.45@47.25,42.3 47.25,38.85 49.6,36.5 49.6,33.76 CN3601.14@48.74,32.9
LLC_3: CN3601.9 U3601.52 | length 12.9
  Bottom Layer w0.3: CN3601.9@43.26,35.44 43.28,35.46 43.28,41.52 41.5,43.3 41.5,45.2 42.25,45.95 U3601.52@43.6,45.95